# KiCad board Zynq_SoM.kicad_pcb (continued)
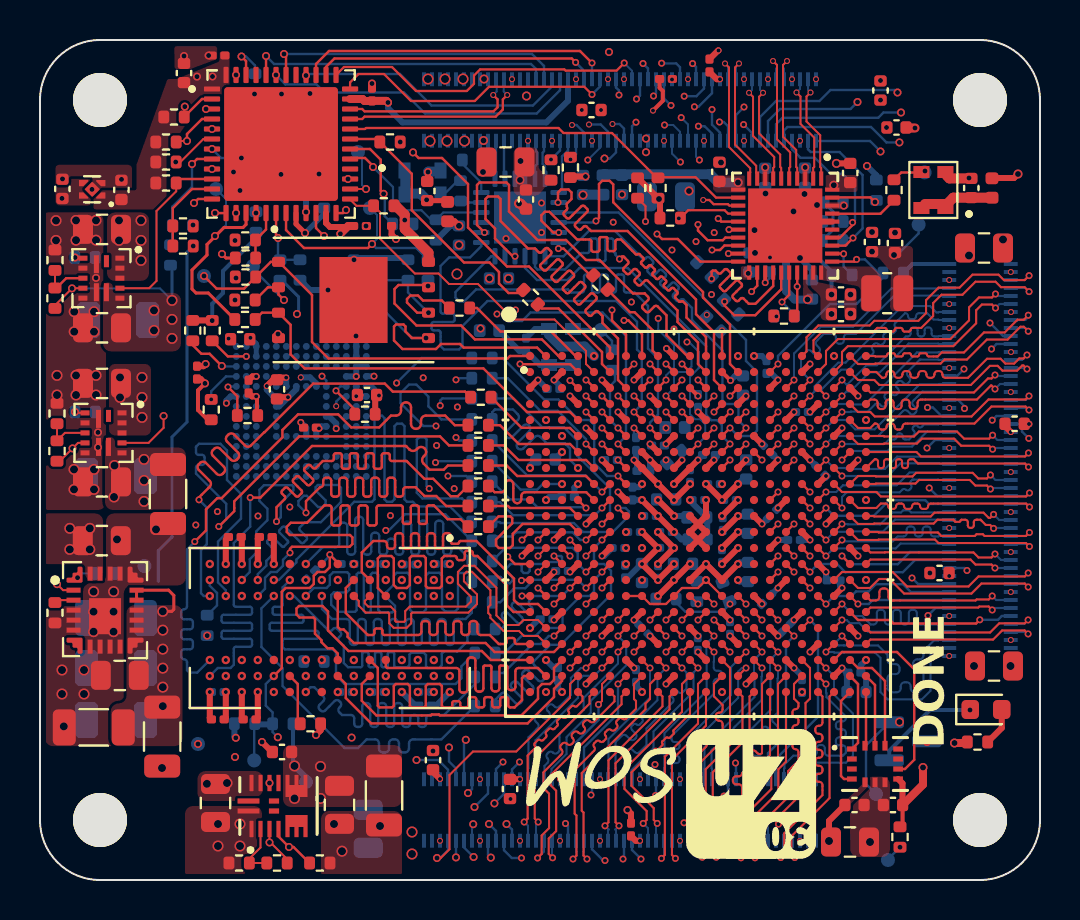
[diagram p0: board, top side]
## Routing (per net, layer and track width the routed paths; a pad name or vN(x,y) marks a point on that pad's centre or on a via; arc(x,y) is an arc through that point) (continued)
  L8 (Sig) w0.12: v1(10.89,14.2) 11.25,14.56 11.25,15.11 11.54,15.4 11.84,15.4 12.15,15.71 12.15,16.01 v1(12.5,16.36)
/Zynq_B502_DDR/DDR_A1: length 5.6
  L1 (Sig) w0.12: U2.M5 v1(27.3,17)
  L8 (Sig) w0.12: v1(27.3,17) 27.01,17 26.62,17.39 23.81,17.39 23.6,17.18 22.83,17.18 R54.1
/Zynq_B502_DDR/DDR_A1_T: length 28.4
  L6 (Sig+Pwr) w0.135: v1(17.29,17.48) 17.29,16.96 16.89,16.56 16.89,13.14 14.96,11.21 14.96,10.05 13.89,8.97 13.54,8.97 arc(13.35,8.89) 13.27,8.7 13.27,7.68 arc(13.18,7.49) 12.99,7.41 arc(12.8,7.49) 12.72,7.68 12.72,8.7 arc(12.63,8.89) 12.44,8.97 arc(12.25,8.89) 12.17,8.7 12.17,8.13 arc(12.08,7.94) 11.89,7.86 arc(11.7,7.94) 11.61,8.13 11.61,8.7 arc(11.53,8.89) 11.34,8.97 arc(11.15,8.89) 11.06,8.7 11.06,7.68 arc(10.98,7.49) 10.79,7.41 arc(10.6,7.49) 10.52,7.68 10.52,8.7 arc(10.43,8.89) 10.24,8.97 9.95,8.97 9.69,9.23 9.69,10.35 10.09,10.75 v1(10.09,11)
  L8 (Sig) w0.12: v1(17.29,17.48) 17.44,17.48 18.25,18.29 20.26,18.29 R54.2
/Zynq_B502_DDR/DDR_A2: length 5.8
  L1 (Sig) w0.12: U2.K4 v1(27.3,18.6)
  L8 (Sig) w0.12: v1(27.3,18.6) 27.26,18.64 24.87,18.64 24.48,19.03 23.5,19.03 R55.1
/Zynq_B502_DDR/DDR_A2_T: length 28.5
  L6 (Sig+Pwr) w0.135: v1(10.09,14.2) 10.09,13.11 10.18,13.02 10.4,13.02 11.29,13.91 11.29,18.15 11.89,18.75 arc(11.93,18.84) 11.89,18.93 11.86,18.96 arc(11.83,19.05) 11.86,19.14 12.04,19.32 arc(12.13,19.35) 12.22,19.32 12.46,19.08 arc(12.55,19.04) 12.63,19.08 12.81,19.25 arc(12.85,19.34) 12.81,19.43 12.57,19.67 arc(12.53,19.76) 12.57,19.85 12.75,20.02 arc(12.84,20.06) 12.92,20.02 13.16,19.78 arc(13.25,19.75) 13.34,19.78 13.52,19.96 arc(13.55,20.05) 13.52,20.14 13.28,20.38 arc(13.24,20.47) 13.28,20.55 13.45,20.73 arc(13.54,20.77) 13.63,20.73 13.87,20.49 arc(13.96,20.45) 14.05,20.49 14.22,20.67 arc(14.26,20.76) 14.22,20.85 13.99,21.08 arc(13.95,21.17) 13.99,21.26 14.16,21.44 arc(14.25,21.47) 14.34,21.44 14.58,21.2 arc(14.67,21.16) 14.75,21.2 14.93,21.38 arc(14.97,21.46) 14.93,21.55 14.69,21.79 arc(14.66,21.88) 14.69,21.97 14.87,22.15 arc(14.96,22.18) 15.05,22.15 15.29,21.91 arc(15.37,21.87) 15.46,21.91 15.64,22.08 arc(15.68,22.17) 15.64,22.26 15.61,22.29 arc(15.57,22.38) 15.61,22.47 16.81,23.67 17.04,23.67 17.6,24.23 20.25,24.23 20.4,24.08 v1(20.4,20.2)
  L8 (Sig) w0.12: v1(20.4,20.2) 21.31,20.2 R55.2
/Zynq_B502_DDR/DDR_A3: length 4.7
  L1 (Sig) w0.12: R56.1 23.4,18.7 23.5,18.6 26.5,18.6 U2.L4
/Zynq_B502_DDR/DDR_A3_T: length 33
  L1 (Sig) w0.12: v1(13.3,18.36) 13.3,18.94 14,19.64 14.02,19.64 arc(14.12,19.68) 14.16,19.78 14.16,19.97 arc(14.2,20.07) 14.3,20.11 14.42,20.11 arc(14.52,20.07) 14.56,19.97 14.56,19.31 arc(14.6,19.21) 14.7,19.17 14.82,19.17 arc(14.92,19.21) 14.96,19.31 14.96,19.97 arc(15,20.07) 15.1,20.11 15.22,20.11 arc(15.32,20.07) 15.36,19.97 15.36,19.31 arc(15.4,19.21) 15.5,19.17 15.62,19.17 arc(15.72,19.21) 15.76,19.31 15.76,19.97 arc(15.8,20.07) 15.9,20.11 16.02,20.11 arc(16.12,20.07) 16.16,19.97 16.16,19.31 arc(16.2,19.21) 16.3,19.17 16.42,19.17 arc(16.52,19.21) 16.56,19.31 16.56,19.97 arc(16.6,20.07) 16.7,20.11 16.82,20.11 arc(16.92,20.07) 16.96,19.97 16.96,19.31 arc(17,19.21) 17.1,19.17 17.22,19.17 arc(17.32,19.21) 17.36,19.31 17.36,19.97 arc(17.4,20.07) 17.5,20.11 17.62,20.11 arc(17.72,20.07) 17.76,19.97 17.76,19.31 arc(17.8,19.21) 17.9,19.17 18.02,19.17 arc(18.12,19.21) 18.16,19.31 18.16,19.5 arc(18.2,19.6) 18.3,19.64 18.78,19.64 19.22,19.2 19.81,19.2 20.31,18.7 R56.2
  L8 (Sig) w0.12: v1(10.89,15) 10.89,15.29 11.31,15.72 11.31,15.95 11.72,16.36 arc(11.75,16.43) 11.72,16.5 11.38,16.83 arc(11.35,16.9) 11.38,16.98 11.52,17.12 arc(11.59,17.15) 11.66,17.12 12.11,16.67 arc(12.16,16.65) 12.2,16.67 12.4,16.87 arc(12.41,16.91) 12.4,16.95 11.98,17.36 arc(11.95,17.44) 11.98,17.51 12.12,17.65 arc(12.19,17.68) 12.27,17.65 13.04,16.87 arc(13.11,16.84) 13.18,16.87 13.33,17.01 arc(13.36,17.08) 13.33,17.15 12.99,17.49 arc(12.96,17.56) 12.99,17.63 13.25,17.89 14.04,17.89 15.05,18.9 15.05,19.61 14.91,19.75 13.89,19.75 13.78,19.64 13.78,19.48 14.28,18.98 14.28,18.81 14.12,18.65 13.9,18.65 13.34,19.21 13.18,19.21 12.92,18.95 12.92,18.74 v1(13.3,18.36)
/Zynq_B502_DDR/DDR_A4: length 6.5
  L1 (Sig) w0.12: U2.K6 v1(28.1,18.6)
  L8 (Sig) w0.12: v1(28.1,18.6) 27.74,18.24 23.65,18.24 23,18.89 R57.1
/Zynq_B502_DDR/DDR_A4_T: length 26.3
  L6 (Sig+Pwr) w0.135: v1(10.09,10.2) 10.49,9.8 12.6,9.8 12.89,10.09 12.89,12.3 14.03,13.44 arc(14.1,13.47) 14.17,13.44 arc(14.23,13.41) 14.3,13.44 14.59,13.73 arc(14.62,13.8) 14.59,13.87 arc(14.56,13.93) 14.59,14 14.64,14.05 14.64,14.51 14.5,14.65 14.5,15.35 14.1,15.75 14.1,16.85 16.91,19.66 19.37,19.66 v1(19.46,19.57)
  L8 (Sig) w0.12: v1(19.46,19.57) 19.33,19.7 19.33,22.03 19.23,22.13 18.95,22.13 18.84,22.02 18.84,19.36 19.12,19.08 21.1,19.08 21.29,18.89 R57.2
/Zynq_B502_DDR/DDR_A5: length 7.4
  L1 (Sig) w0.12: R58.1 22.73,19.39 23.06,19.39 arc(23.2,19.45) 23.26,19.59 23.26,19.79 arc(23.32,19.93) 23.46,19.99 arc(23.6,19.93) 23.66,19.79 23.66,19.04 arc(23.72,18.9) 23.86,18.84 arc(24,18.9) 24.06,19.04 24.06,19.19 arc(24.12,19.33) 24.26,19.39 27.31,19.39 U2.K5
/Zynq_B502_DDR/DDR_A5_T: length 29.4
  L1 (Sig) w0.12: v1(11.82,17.93) 11.82,18.63 12.23,19.05 arc(12.26,19.12) 12.24,19.19 12.1,19.32 arc(12.07,19.39) 12.1,19.46 12.24,19.6 arc(12.31,19.63) 12.38,19.6 12.79,19.19 arc(12.86,19.16) 12.93,19.19 13.08,19.34 arc(13.11,19.41) 13.08,19.48 12.67,19.89 arc(12.64,19.96) 12.67,20.03 12.81,20.17 arc(12.88,20.2) 12.95,20.17 13.36,19.76 arc(13.43,19.73) 13.5,19.76 13.64,19.9 arc(13.67,19.97) 13.64,20.04 13.23,20.45 arc(13.2,20.52) 13.23,20.59 13.37,20.73 arc(13.44,20.76) 13.52,20.73 13.65,20.6 arc(13.72,20.57) 13.79,20.6 14.14,20.95 14.59,20.95 arc(14.66,20.98) 14.69,21.05 14.69,21.24 arc(14.72,21.31) 14.79,21.34 14.99,21.34 arc(15.06,21.31) 15.09,21.24 15.09,20.66 arc(15.12,20.59) 15.19,20.56 15.39,20.56 arc(15.46,20.59) 15.49,20.66 15.49,21.24 arc(15.52,21.31) 15.59,21.34 15.79,21.34 arc(15.86,21.31) 15.89,21.24 15.89,20.66 arc(15.92,20.59) 15.99,20.56 16.19,20.56 arc(16.26,20.59) 16.29,20.66 16.29,21.24 arc(16.32,21.31) 16.39,21.34 16.59,21.34 arc(16.66,21.31) 16.69,21.24 16.69,20.66 arc(16.72,20.59) 16.79,20.56 16.99,20.56 arc(17.06,20.59) 17.09,20.66 17.09,21.24 arc(17.12,21.31) 17.19,21.34 17.39,21.34 arc(17.46,21.31) 17.49,21.24 17.49,21.05 arc(17.52,20.98) 17.59,20.95 18.33,20.95 19.22,20.06 19.66,20.06 20.53,19.19 20.89,19.19 R58.2
  L8 (Sig) w0.12: v1(11.82,17.93) 12.04,18.14 12.04,18.85 12.67,19.48 12.67,19.67 12.6,19.74 11.2,19.74 10.97,19.51 10.97,18.96 11.37,18.56 11.37,17.99 10.81,17.43 10.81,16.36 10.49,16.04 10.49,15.4 v1(10.09,15)
/Zynq_B502_DDR/DDR_A6: length 10.4
  L1 (Sig) w0.12: U2.J7 v1(28.9,20.2)
  L8 (Sig) w0.12: v1(28.9,20.2) 28.35,20.2 27.71,20.84 27.71,22.77 27.47,23 26.94,23 25.92,24.03 25.21,24.03 23.13,26.1 R59.1
/Zynq_B502_DDR/DDR_A6_T: length 23.5
  L6 (Sig+Pwr) w0.135: v1(17.83,24.85) 17.03,24.85 15.37,23.19 14.78,23.19 14.38,22.79 14.38,22.33 10.49,18.44 10.49,14.78 10.31,14.6 9.87,14.6 9.69,14.42 9.69,10.84 9.29,10.44 v1(9.29,10.2)
  L8 (Sig) w0.12: R59.2 19.08,26.1 v1(17.83,24.85)
/Zynq_B502_DDR/DDR_A7: length 7.1
  L1 (Sig) w0.12: v1(28.1,19.4) U2.J6
  L8 (Sig) w0.12: v1(28.1,19.4) 27.26,20.24 24.34,20.24 R60.1
/Zynq_B502_DDR/DDR_A7_T: length 26.8
  L6 (Sig+Pwr) w0.135: v1(9.29,15) 9.69,15.4 9.69,19.11 10.18,19.6 10.61,19.6 10.79,19.78 arc(10.83,19.86) 10.79,19.94 10.53,20.21 arc(10.5,20.29) 10.53,20.36 10.69,20.52 arc(10.77,20.56) 10.85,20.52 11.11,20.26 arc(11.19,20.23) 11.27,20.26 11.43,20.42 arc(11.46,20.5) 11.43,20.58 11.17,20.84 arc(11.13,20.92) 11.17,21 11.33,21.16 arc(11.41,21.19) 11.48,21.16 11.75,20.9 arc(11.83,20.86) 11.91,20.9 12.07,21.06 arc(12.1,21.14) 12.07,21.22 11.8,21.48 arc(11.77,21.56) 11.8,21.64 11.96,21.8 arc(12.04,21.83) 12.12,21.8 12.38,21.53 arc(12.46,21.5) 12.54,21.53 12.7,21.69 arc(12.74,21.77) 12.7,21.85 12.44,22.12 arc(12.41,22.19) 12.44,22.27 12.6,22.43 arc(12.68,22.47) 12.76,22.43 13.02,22.17 arc(13.1,22.14) 13.18,22.17 13.56,22.55 13.56,22.97 14.66,24.07 15.04,24.07 15.69,24.72 16,24.72 16.27,24.99 16.27,25.37 16.55,25.65 19.44,25.65 20.6,24.49 21.07,24.49 21.27,24.29 21.27,23.41 20.8,22.94 v1(20.8,22.13)
  L8 (Sig) w0.12: v1(20.8,22.13) 20.95,21.98 R60.2
/Zynq_B502_DDR/DDR_A8: length 5.7
  L1 (Sig) w0.12: U2.J5 27.3,20.2 23.86,20.2 23.33,20.73 R61.1
/Zynq_B502_DDR/DDR_A8_T: length 30.8
  L1 (Sig) w0.12: v1(10.51,19.12) 11.02,19.12 13.6,21.7 18.3,21.7 18.47,21.53 arc(18.65,21.45) 18.83,21.53 18.88,21.58 arc(19.06,21.65) 19.23,21.58 arc(19.31,21.4) 19.23,21.23 19.18,21.17 arc(19.11,21) 19.18,20.82 19.48,20.52 20.19,20.52 20.4,20.73 R61.2
  L8 (Sig) w0.12: v1(8.49,10.2) 8.89,10.6 9.53,10.6 9.69,10.76 9.69,11.56 arc(9.72,11.63) 9.79,11.66 10.5,11.66 arc(10.57,11.69) 10.6,11.76 10.6,11.96 arc(10.57,12.03) 10.5,12.06 9.18,12.06 arc(9.11,12.09) 9.08,12.16 9.08,12.36 arc(9.11,12.43) 9.18,12.46 10.5,12.46 arc(10.57,12.49) 10.6,12.56 10.6,12.76 arc(10.57,12.83) 10.5,12.86 9.18,12.86 arc(9.11,12.89) 9.08,12.96 9.08,13.16 arc(9.11,13.23) 9.18,13.26 10.5,13.26 arc(10.57,13.29) 10.6,13.36 10.6,13.56 arc(10.57,13.63) 10.5,13.66 9.79,13.66 arc(9.72,13.69) 9.69,13.76 9.69,16.85 10.51,17.67 v1(10.51,19.12)
/Zynq_B502_DDR/DDR_A9: length 5.7
  L1 (Sig) w0.12: U2.H5 27.3,21 23.92,21 23.19,21.73 R62.1
/Zynq_B502_DDR/DDR_A9_T: length 30.2
  L1 (Sig) w0.12: v1(8.94,17.68) 8.95,17.68 9.71,18.44 9.71,18.93 12.96,22.18 20,22.18 20.45,21.73 R62.2
  L8 (Sig) w0.12: v1(9.29,14.2) 9.29,14.49 8.9,14.88 8.9,16.92 10.05,18.07 10.05,19.3 9.35,20 9.35,21.48 9.02,21.81 7.95,21.81 7.8,21.66 7.8,21.38 arc(7.84,21.29) 7.92,21.25 8.11,21.25 arc(8.19,21.22) 8.23,21.13 8.23,20.88 arc(8.19,20.79) 8.11,20.75 7.92,20.75 arc(7.84,20.72) 7.8,20.63 7.8,20.32 9.31,18.81 9.31,18.03 8.96,17.68 v1(8.94,17.68)
/Zynq_B502_DDR/DDR_A10: length 4.2
  L8 (Sig) w0.12: R63.1 24.03,19.52 24.86,19.52 25.14,19.8 v1(26.1,19.8)
/Zynq_B502_DDR/DDR_A10_T: length 29.8
  L6 (Sig+Pwr) w0.135: v1(19.77,20.88) 19.46,20.88 arc(19.4,20.9) 19.38,20.96 19.38,22.16 arc(19.35,22.22) 19.3,22.24 19.05,22.24 arc(18.99,22.22) 18.97,22.16 18.97,20.14 arc(18.94,20.08) 18.89,20.06 18.64,20.06 arc(18.58,20.08) 18.56,20.14 18.56,22.16 arc(18.53,22.22) 18.48,22.24 18.23,22.24 arc(18.17,22.22) 18.15,22.16 18.15,20.14 arc(18.12,20.08) 18.07,20.06 17.82,20.06 arc(17.76,20.08) 17.74,20.14 17.74,20.79 arc(17.71,20.85) 17.66,20.88 17.27,20.88 16.62,20.23 arc(16.61,20.19) 16.62,20.14 arc(16.64,20.09) 16.62,20.04 16.37,19.79 arc(16.32,19.77) 16.27,19.79 16.18,19.88 arc(16.13,19.9) 16.08,19.88 15.82,19.62 arc(15.8,19.58) 15.82,19.53 15.92,19.43 arc(15.94,19.38) 15.92,19.34 15.66,19.08 arc(15.61,19.06) 15.56,19.08 15.47,19.17 arc(15.42,19.19) 15.37,19.17 15.12,18.92 arc(15.1,18.87) 15.12,18.82 15.21,18.73 arc(15.23,18.68) 15.21,18.63 14.95,18.37 arc(14.9,18.35) 14.86,18.37 14.76,18.47 arc(14.71,18.49) 14.67,18.47 14.41,18.21 arc(14.39,18.16) 14.41,18.11 arc(14.43,18.07) 14.41,18.02 13.36,16.97 13.36,16.45 13.69,16.12 13.69,13.89 12.33,12.53 11.99,12.53 11.62,12.16 11.62,12.06 arc(11.66,11.97) 11.75,11.94 12.3,11.94 arc(12.38,11.9) 12.42,11.81 12.42,11.56 arc(12.38,11.47) 12.3,11.44 11.75,11.44 arc(11.66,11.4) 11.62,11.31 11.62,10.92 12.17,10.37 12.38,10.37 12.49,10.48 v1(12.49,11)
  L8 (Sig) w0.12: v1(19.77,20.88) 19.84,20.94 R63.2
/Zynq_B502_DDR/DDR_A11: length 6.8
  L1 (Sig) w0.12: U2.G5 v1(27.3,21.8)
  L8 (Sig) w0.12: v1(27.3,21.8) 27.3,22.05 25.88,23.46 25.01,23.46 23.38,25.09 R64.1
/Zynq_B502_DDR/DDR_A11_T: length 26.1
  L6 (Sig+Pwr) w0.135: v1(9.29,11) 8.89,11.4 8.89,12.81 arc(8.85,12.89) 8.77,12.93 8.76,12.93 arc(8.67,12.97) 8.64,13.05 8.64,13.41 arc(8.67,13.49) 8.76,13.53 8.77,13.53 arc(8.85,13.57) 8.89,13.65 8.89,16.11 8.35,16.65 8.35,19.16 13.83,24.64 14.24,24.64 16.17,26.57 19.76,26.57 20.8,25.53 v1(20.8,25.01)
  L8 (Sig) w0.12: v1(20.8,25.01) 20.88,25.09 R64.2
/Zynq_B502_DDR/DDR_A12: length 10.4
  L8 (Sig) w0.12: v1(26.9,20.6) 26.5,21 26.5,21.58 26.25,21.83 25.35,21.83 25.02,22.15 arc(24.88,22.21) 24.74,22.15 24.17,21.59 arc(24.03,21.53) 23.89,21.59 arc(23.83,21.73) 23.89,21.87 24.46,22.44 arc(24.52,22.58) 24.46,22.72 arc(24.32,22.78) 24.17,22.72 23.61,22.15 arc(23.47,22.09) 23.33,22.15 arc(23.27,22.29) 23.33,22.44 23.89,23 arc(23.95,23.14) 23.89,23.28 23.65,23.53 22.75,23.53 22.61,23.39 R65.1
/Zynq_B502_DDR/DDR_A12_T: length 23.8
  L6 (Sig+Pwr) w0.135: v1(19.8,22.7) 18.16,22.7 12.89,17.43 12.89,14.05 10.89,12.05 v1(10.89,11)
  L8 (Sig) w0.12: v1(19.8,22.7) 19.17,22.7 18.03,23.84 18.03,24.35 18.45,24.77 18.82,24.77 19.42,24.17 19.42,23.68 20.07,23.03 R65.2
/Zynq_B502_DDR/DDR_A13: length 5.2
  L1 (Sig) w0.12: R66.1 24.08,22.61 25.47,22.61 25.47,22.6 25.48,22.6 26.5,22.6 U2.F4
/Zynq_B502_DDR/DDR_A13_T: length 27.8
  L1 (Sig) w0.12: R66.2 21.25,24.42 17.64,24.42 17.24,24.82 13.66,24.82 11.23,22.39 11.21,22.39 10.54,21.72 arc(10.4,21.66) 10.26,21.72 9.71,22.27 arc(9.56,22.33) 9.42,22.27 9.35,22.2 arc(9.29,22.06) 9.35,21.92 9.9,21.37 arc(9.96,21.23) 9.9,21.08 9.83,21.01 arc(9.69,20.95) 9.55,21.01 9,21.56 arc(8.86,21.62) 8.72,21.56 8.64,21.49 arc(8.59,21.35) 8.64,21.21 9.2,20.66 arc(9.26,20.52) 9.2,20.38 9.13,20.31 arc(8.98,20.25) 8.84,20.31 8.29,20.86 arc(8.15,20.92) 8.01,20.86 7.94,20.79 arc(7.88,20.65) 7.94,20.5 8.49,19.95 arc(8.55,19.81) 8.49,19.67 7.95,19.13 v1(7.95,19.01)
  L8 (Sig) w0.12: v1(7.95,19.01) 8.34,18.62 8.34,16.79 8.05,16.5 8.05,14.34 8.19,14.2 v1(8.49,14.2)
/Zynq_B502_DDR/DDR_A14: length 5
  L1 (Sig) w0.12: U2.G4 26.5,21.8 23.94,21.8 23,22.74 R67.1
/Zynq_B502_DDR/DDR_A14_T: length 30.1
  L1 (Sig) w0.12: v1(7.74,16.92) 8.3,17.48 8.3,18.53 8.86,19.09 9.08,19.09 12.12,22.13 12.12,22.5 12.9,23.28 14.91,23.28 15.56,22.63 16.96,22.63 17.55,23.22 17.8,23.22 arc(17.98,23.29) 18.05,23.47 18.05,23.63 arc(18.12,23.81) 18.3,23.88 arc(18.48,23.81) 18.55,23.63 18.55,22.81 arc(18.62,22.63) 18.8,22.56 arc(18.98,22.63) 19.05,22.81 19.05,22.97 arc(19.12,23.15) 19.3,23.22 20.26,23.22 20.74,22.74 R67.2
  L8 (Sig) w0.12: v1(8.49,11) 7.86,10.37 7.47,10.37 7.35,10.49 7.35,10.89 7.35,10.89 arc(7.31,10.99) 7.2,11.03 arc(7.1,11.08) 7.06,11.18 7.06,11.39 arc(7.1,11.49) 7.2,11.54 7.5,11.54 arc(7.6,11.58) 7.64,11.69 7.64,11.89 arc(7.6,11.99) 7.5,12.04 7.2,12.04 arc(7.1,12.08) 7.06,12.19 7.06,12.39 arc(7.1,12.49) 7.2,12.54 7.5,12.54 arc(7.6,12.58) 7.64,12.69 7.64,12.89 arc(7.6,12.99) 7.5,13.04 7.2,13.04 arc(7.1,13.08) 7.06,13.18 7.06,13.39 arc(7.1,13.49) 7.2,13.54 arc(7.31,13.58) 7.35,13.68 7.35,16.53 v1(7.74,16.92)
/Zynq_B502_DDR/DDR_BA0: length 8.8
  L1 (Sig) w0.12: U2.L7 v1(28.9,18.6)
  L8 (Sig) w0.12: v1(28.9,18.6) 29.28,18.6 29.45,18.43 29.45,18.21 28.64,17.4 27.15,17.4 26.7,17.85 23.03,17.85 22.98,17.9 R68.1
/Zynq_B502_DDR/DDR_BA0_T: length 27.9
  L8 (Sig) w0.12: v1(11.69,15) 11.94,15 12.82,15.88 12.82,16.02 15.71,18.91 16.6,18.91 16.72,19.03 16.72,23.09 16.85,23.22 17.1,23.22 17.22,23.09 17.22,19.03 17.35,18.91 17.6,18.91 17.72,19.03 17.72,22.69 17.85,22.82 18.1,22.82 18.22,22.69 18.22,19.03 18.35,18.91 18.64,18.91 18.87,18.68 20.49,18.68 21.27,17.9 R68.2
/Zynq_B502_DDR/DDR_BA1: length 10.7
  L1 (Sig) w0.12: U2.L6 v1(28.1,17.8)
  L8 (Sig) w0.12: R69.1 23.67,24.08 25.11,22.64 26.19,22.64 26.85,21.98 26.85,21.23 28.5,19.58 U2.L6 v1(28.1,17.8)
/Zynq_B502_DDR/DDR_BA1_T: length 21.5
  L6 (Sig+Pwr) w0.123: 10.89,10.35 v1(10.89,10.2)
  L6 (Sig+Pwr) w0.135: 10.89,10.35 10.49,10.75 10.49,12.42 12.09,14.02 12.09,17.48 12.32,17.71 12.32,17.9 16.48,22.07 16.7,22.28 arc(16.74,22.39) 16.7,22.49 16.67,22.52 arc(16.62,22.63) 16.67,22.74 16.88,22.95 arc(16.98,22.99) 17.09,22.95 17.12,22.92 arc(17.23,22.87) 17.33,22.92 18.04,23.63 18.65,23.63 arc(18.75,23.58) 18.79,23.49 18.79,23.41 arc(18.83,23.31) 18.93,23.27 19.21,23.27 arc(19.31,23.31) 19.35,23.41 19.35,23.49 arc(19.39,23.58) 19.49,23.63 19.92,23.63 v1(20.01,23.72)
  L8 (Sig) w0.12: R69.2 20.12,24.08 20.01,23.97 v1(20.01,23.72)
/Zynq_B502_DDR/DDR_BA2: length 17.4
  L1 (Sig) w0.12: U2.M6 v1(28.1,17)
  L8 (Sig) w0.12: R70.1 22.78,8.72 22.78,9.03 23.08,9.33 arc(23.19,9.37) 23.3,9.33 23.78,8.84 arc(23.9,8.8) 24.01,8.84 24.07,8.9 arc(24.11,9.01) 24.07,9.13 23.58,9.61 arc(23.54,9.72) 23.58,9.83 23.64,9.89 arc(23.75,9.94) 23.87,9.89 24.35,9.41 arc(24.46,9.36) 24.57,9.41 24.63,9.47 arc(24.68,9.58) 24.63,9.69 24.15,10.17 arc(24.1,10.29) 24.15,10.4 24.21,10.46 arc(24.32,10.5) 24.43,10.46 24.91,9.98 arc(25.03,9.93) 25.14,9.98 25.2,10.03 arc(25.24,10.15) 25.2,10.26 24.72,10.74 arc(24.67,10.85) 24.72,10.97 25.51,11.76 26.04,11.76 28.55,14.27 28.55,15.46 28.21,15.8 27.9,15.8 27.7,16 27.7,16.6 v1(28.1,17)
/Zynq_B502_DDR/DDR_BA2_T: length 18.9
  L8 (Sig) w0.12: R70.2 20.07,7.03 18.65,7.03 arc(18.51,6.97) 18.45,6.83 18.45,6.58 arc(18.39,6.44) 18.25,6.38 18.15,6.38 arc(18.01,6.44) 17.95,6.58 17.95,6.83 arc(17.89,6.97) 17.75,7.03 17.65,7.03 arc(17.51,6.97) 17.45,6.83 17.45,6.58 arc(17.39,6.44) 17.25,6.38 17.15,6.38 arc(17.01,6.44) 16.95,6.58 16.95,6.83 arc(16.89,6.97) 16.75,7.03 16.33,7.03 15.9,6.6 15.22,6.6 12.13,9.7 12.13,10.59 11.07,11.65 11.07,13.58 v1(11.69,14.2)
/Zynq_B502_DDR/DDR_CK_E: length 4.4
  L1 (Sig) w0.12: 25.72,12.23 v1(25.7,12.2) U2.V3
  L8 (Sig) w0.12: R73.1 22.96,10.35 23.18,10.35 24.62,11.8 25.04,11.8 25.44,12.2 v1(25.7,12.2)
/Zynq_B502_DDR/DDR_CK_E_T: length 19.9
  L8 (Sig) w0.12: v1(13.29,9.4) 13.53,9.64 13.71,9.64 14.17,9.18 arc(14.22,9.07) 14.17,8.95 13.97,8.76 arc(13.93,8.65) 13.97,8.53 14.03,8.48 arc(14.14,8.43) 14.26,8.48 14.73,8.95 arc(14.85,9) 14.96,8.95 15.02,8.89 arc(15.06,8.78) 15.02,8.67 14.96,8.61 arc(14.92,8.5) 14.96,8.39 15.1,8.25 15.55,8.25 arc(15.66,8.2) 15.71,8.09 15.71,7.81 arc(15.76,7.7) 15.87,7.65 15.95,7.65 arc(16.06,7.7) 16.11,7.81 16.11,8.69 arc(16.16,8.8) 16.27,8.85 16.35,8.85 arc(16.46,8.8) 16.51,8.69 16.51,7.81 arc(16.56,7.7) 16.67,7.65 16.75,7.65 arc(16.86,7.7) 16.91,7.81 16.91,8.69 arc(16.96,8.8) 17.07,8.85 17.15,8.85 arc(17.26,8.8) 17.31,8.69 17.31,7.81 arc(17.36,7.7) 17.47,7.65 17.55,7.65 arc(17.66,7.7) 17.71,7.81 17.71,8.69 arc(17.76,8.8) 17.87,8.85 17.95,8.85 arc(18.06,8.8) 18.11,8.69 18.11,7.81 arc(18.16,7.7) 18.27,7.65 18.35,7.65 arc(18.46,7.7) 18.51,7.81 18.51,8.09 arc(18.56,8.2) 18.67,8.25 18.75,8.25 arc(18.86,8.2) 18.91,8.09 18.91,7.81 arc(18.96,7.7) 19.07,7.65 19.15,7.65 arc(19.26,7.7) 19.31,7.81 19.31,8.09 arc(19.36,8.2) 19.47,8.25 20.2,8.25 21.74,9.79 R73.2
/Zynq_B502_DDR/DDR_CK_N: length 35.6
  L1 (Sig) w0.1: U2.N5 v1(27.3,16.2)
  L6 (Sig+Pwr) w0.1: v1(27.3,16.2) 26.9,16.6 26.9,17.31 26.85,17.36 26.85,18.46 25.59,19.73 24.56,19.73 23.96,20.32 23.96,23 23.56,23.4 22.02,23.4 21.69,23.07 21.69,22.57 21.95,22.31 22.56,22.31 22.65,22.22 22.65,21.91 22.56,21.83 21.38,21.83 21.16,21.61 21.16,20.96 21.38,20.75 22.56,20.75 22.65,20.66 22.65,20.35 22.56,20.27 21.95,20.27 21.69,20.01 21.69,19.33 21.56,19.2 17.4,19.2 14.96,16.77 14.96,15.54 15.91,14.59 15.91,13.39 15.3,12.78 14.06,12.78 13.54,12.25 13.54,11.25 v1(13.29,11)
/Zynq_B502_DDR/DDR_CK_P: length 35.1
  L1 (Sig) w0.1: v1(26.5,17) U2.N4
  L6 (Sig+Pwr) w0.1: v1(14.09,11) 13.84,11.25 13.84,12.13 14.19,12.48 15.43,12.48 16.21,13.26 16.21,14.71 15.26,15.66 15.26,16.64 15.36,16.74 arc(15.5,16.79) 15.64,16.74 15.75,16.63 arc(15.89,16.57) 16.03,16.63 16.1,16.7 arc(16.16,16.84) 16.1,16.98 15.99,17.09 arc(15.94,17.23) 15.99,17.37 16.06,17.44 arc(16.21,17.5) 16.35,17.44 16.46,17.33 arc(16.6,17.27) 16.74,17.33 16.81,17.4 arc(16.87,17.55) 16.81,17.69 16.7,17.8 arc(16.64,17.94) 16.7,18.08 17.52,18.9 21.68,18.9 21.99,19.21 21.99,19.88 22.07,19.97 22.69,19.97 22.95,20.23 22.95,20.79 22.69,21.05 21.5,21.05 21.46,21.09 21.46,21.49 21.5,21.53 22.69,21.53 22.95,21.79 22.95,22.35 22.69,22.61 22.07,22.61 21.99,22.69 21.99,22.95 22.14,23.1 23.44,23.1 23.66,22.88 23.66,20.2 24.43,19.43 25.46,19.43 26.55,18.34 26.55,17.36 26.5,17.31 v1(26.5,17)
/Zynq_B502_DDR/DDR_DM0: length 18.5
  L1 (Sig) w0.12: U2.AA2 24.9,10.6 23.93,10.6 arc(23.82,10.55) 23.77,10.44 23.77,9.65 arc(23.72,9.54) 23.61,9.49 23.53,9.49 arc(23.42,9.54) 23.37,9.65 23.37,10.66 arc(23.35,10.7) 23.31,10.72 23.03,10.72 arc(22.99,10.7) 22.97,10.66 22.97,9.59 arc(22.92,9.48) 22.81,9.43 22.73,9.43 arc(22.62,9.48) 22.57,9.59 22.57,10.66 arc(22.55,10.7) 22.51,10.72 22.23,10.72 arc(22.19,10.7) 22.17,10.66 22.17,9.58 arc(22.12,9.47) 22.01,9.42 21.93,9.42 arc(21.82,9.47) 21.77,9.58 21.77,10.97 arc(21.72,11.08) 21.61,11.13 21.53,11.13 arc(21.42,11.08) 21.37,10.97 21.37,9.53 arc(21.32,9.42) 21.21,9.37 21.13,9.37 arc(21.02,9.42) 20.97,9.53 20.97,10.44 arc(20.92,10.55) 20.81,10.6 17.36,10.6 17.29,10.67 U1.E7
/Zynq_B502_DDR/DDR_DM1: length 13.7
  L1 (Sig) w0.12: U2.P1 23.75,15.8 v1(23.39,16.16)
  L6 (Sig+Pwr) w0.135: v1(18.09,14.2) 17.55,14.2 17.33,13.98 17.33,12.61 16.73,12.01 16.73,11.83 16.94,11.62 17.14,11.62 17.72,12.2 17.72,13.15 17.97,13.4 20.52,13.4 23.29,16.16 v1(23.39,16.16)
/Zynq_B502_DDR/DDR_DQ0: length 18
  L1 (Sig) w0.12: U2.U1 23.67,13.4 23.35,13.73 23.35,14.72 21.87,16.2 21.74,16.2 arc(21.67,16.23) 21.64,16.3 21.64,16.36 arc(21.61,16.43) 21.54,16.46 21.34,16.46 arc(21.27,16.43) 21.24,16.36 21.24,16.09 arc(21.21,16.02) 21.14,15.99 20.94,15.99 arc(20.87,16.02) 20.84,16.09 20.84,16.1 arc(20.81,16.17) 20.74,16.2 20.21,16.2 20.09,16.08 20.09,14.7 19.99,14.6 19.39,14.6 19.29,14.7 19.29,16.1 19.19,16.2 18.59,16.2 18.49,16.1 18.49,14.75 18.34,14.6 17.84,14.6 17.69,14.75 17.69,16.08 17.56,16.2 17.01,16.2 16.89,16.08 16.89,14.6 U1.E3
/Zynq_B502_DDR/DDR_DQ1: length 18.7
  L1 (Sig) w0.12: U1.F7 16.89,10.6 16.89,8.71 16.97,8.63 17.61,8.63 17.69,8.71 17.69,9.7 17.79,9.8 18.39,9.8 18.49,9.7 18.49,8.71 18.57,8.63 19.21,8.63 19.29,8.71 19.29,9.7 19.39,9.8 19.99,9.8 20.09,9.7 20.09,8.71 20.17,8.63 20.51,8.63 arc(20.58,8.66) 20.61,8.73 20.61,8.84 arc(20.64,8.91) 20.71,8.94 20.91,8.94 arc(20.98,8.91) 21.01,8.84 21.01,8.73 arc(21.04,8.66) 21.11,8.63 21.31,8.63 arc(21.38,8.66) 21.41,8.73 21.41,9.04 arc(21.44,9.11) 21.51,9.14 21.71,9.14 arc(21.78,9.11) 21.81,9.04 21.81,8.73 arc(21.84,8.66) 21.91,8.63 22.11,8.63 arc(22.18,8.66) 22.21,8.73 22.21,9.04 arc(22.24,9.11) 22.31,9.14 22.51,9.14 arc(22.58,9.11) 22.61,9.04 22.61,8.73 arc(22.64,8.66) 22.71,8.63 22.91,8.63 arc(22.98,8.66) 23.01,8.73 23.01,9.04 arc(23.04,9.11) 23.11,9.14 23.31,9.14 arc(23.38,9.11) 23.41,9.04 23.41,8.73 arc(23.44,8.66) 23.51,8.63 23.73,8.63 24.1,9 24.1,10.1 24.2,10.2 U2.AA1
/Zynq_B502_DDR/DDR_DQ2: length 18.4
  L1 (Sig) w0.12: U2.U2 24.9,13.8 23.9,13.8 23.7,14 23.7,15.07 21.82,16.95 21.02,16.95 arc(20.97,16.93) 20.95,16.88 arc(20.93,16.83) 20.88,16.81 20.62,16.81 arc(20.57,16.83) 20.55,16.88 20.55,17.18 arc(20.5,17.3) 20.39,17.34 20.31,17.34 arc(20.2,17.3) 20.15,17.18 20.15,16.72 arc(20.1,16.6) 19.99,16.56 19.91,16.56 arc(19.8,16.6) 19.75,16.72 19.75,17.18 arc(19.7,17.3) 19.59,17.34 19.51,17.34 arc(19.4,17.3) 19.35,17.18 19.35,16.72 arc(19.3,16.6) 19.19,16.56 19.11,16.56 arc(19,16.6) 18.95,16.72 18.95,17.18 arc(18.9,17.3) 18.79,17.34 18.71,17.34 arc(18.6,17.3) 18.55,17.18 18.55,16.72 arc(18.5,16.6) 18.39,16.56 18.31,16.56 arc(18.2,16.6) 18.15,16.72 18.15,17.18 arc(18.1,17.3) 17.99,17.34 17.91,17.34 arc(17.8,17.3) 17.75,17.18 17.75,16.72 arc(17.7,16.6) 17.59,16.56 17.51,16.56 arc(17.4,16.6) 17.35,16.72 17.35,16.79 arc(17.3,16.9) 17.19,16.95 16.66,16.95 16.09,16.38 16.09,15.4 U1.F2
/Zynq_B502_DDR/DDR_DQ3: length 13.6
  L1 (Sig) w0.12: U1.F8 16.09,9.8 16.09,8.96 16.82,8.23 19.54,8.23 19.59,8.28 19.94,8.28 19.99,8.23 24.07,8.23 24.9,9.06 24.9,9.6 25.1,9.8 25.5,9.8 25.7,10 25.7,10.6 U2.Y3
/Zynq_B502_DDR/DDR_DQ4: length 13.5
  L1 (Sig) w0.12: U1.H3 14.89,12.65 15.01,12.53 15.18,12.53 15.38,12.33 15.38,12.16 15.69,11.85 22.28,11.85 22.73,11.4 25.7,11.4 U2.W3
/Zynq_B502_DDR/DDR_DQ5: length 14
  L1 (Sig) w0.12: U2.AA3 26.1,9.96 25.7,9.56 25.7,9.15 24.38,7.83 16.56,7.83 15.29,9.1 15.29,9.8 U1.H8
/Zynq_B502_DDR/DDR_DQ6: length 17.1
  L1 (Sig) w0.12: U2.W1 23.84,11.8 arc(23.77,11.83) 23.74,11.9 23.74,12 arc(23.71,12.07) 23.64,12.1 23.44,12.1 arc(23.37,12.07) 23.34,12 23.34,11.9 arc(23.31,11.83) 23.24,11.8 22.94,11.8 22.49,12.25 22.03,12.25 arc(21.92,12.3) 21.87,12.41 21.87,12.79 arc(21.82,12.9) 21.71,12.95 21.63,12.95 arc(21.52,12.9) 21.47,12.79 21.47,12.41 arc(21.42,12.3) 21.31,12.25 21.23,12.25 arc(21.12,12.3) 21.07,12.41 21.07,12.79 arc(21.02,12.9) 20.91,12.95 20.83,12.95 arc(20.72,12.9) 20.67,12.79 20.67,12.41 arc(20.62,12.3) 20.51,12.25 20.43,12.25 arc(20.32,12.3) 20.27,12.41 20.27,12.79 arc(20.22,12.9) 20.11,12.95 20.03,12.95 arc(19.92,12.9) 19.87,12.79 19.87,12.41 arc(19.82,12.3) 19.71,12.25 19.63,12.25 arc(19.52,12.3) 19.47,12.41 19.47,12.79 arc(19.42,12.9) 19.31,12.95 19.23,12.95 arc(19.12,12.9) 19.07,12.79 19.07,12.41 arc(19.02,12.3) 18.91,12.25 17.22,12.25 arc(17.15,12.28) 17.12,12.35 17.12,12.47 arc(17.09,12.54) 17.02,12.57 16.82,12.57 arc(16.75,12.54) 16.72,12.47 16.72,12.35 arc(16.69,12.28) 16.62,12.25 16.39,12.25 15.29,13.35 15.29,14.6 U1.G2
